# Allegro board RK3576_Template_LP5D315P132SD8_25x36_2400MHz_H1R0_V11_20240530YWQ.brd (continued)
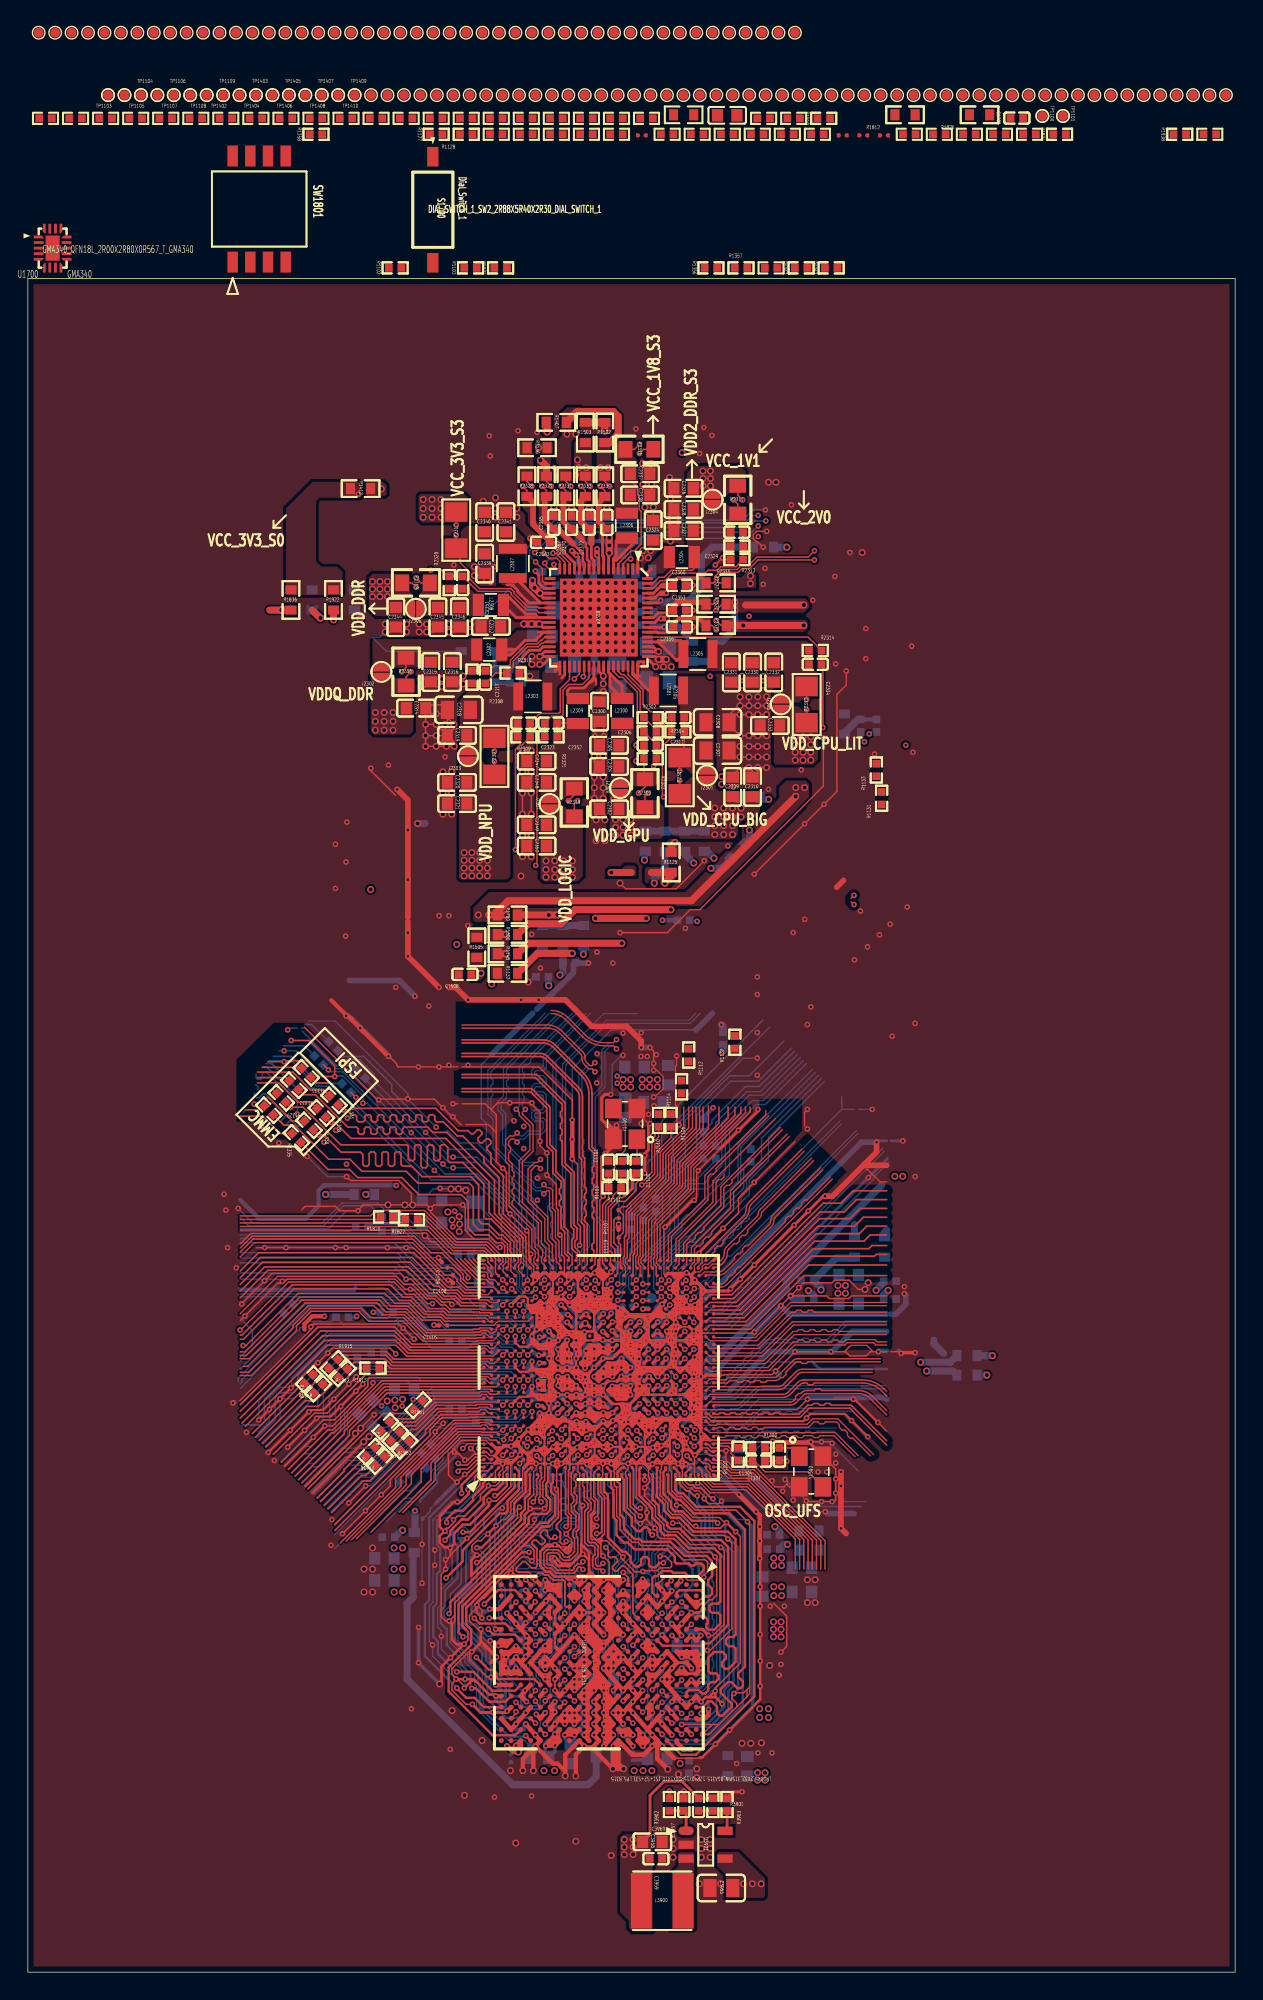
[diagram p0: board, top side]
## Copper pours and planes (outline as drawn; the poured copper is in the pictures) (continued)
VDD_CPU_BIG_S0 on L6-SIG: 48.26,43.56 43.69,43.56 43.43,43.31 43.05,43.31 42.29,42.54 41.91,42.54 41.66,42.29 40.39,42.29 40.39,42.29 40.26,42.42 40.26,42.42 40.26,43.18 40.39,43.31 40.77,43.31 40.89,43.43 40.89,43.69 41.53,44.32 41.53,46.48 42.16,47.12 42.16,50.67 43.31,51.82 43.31,62.74 43.69,63.12 43.69,64.52 43.31,64.9 43.31,75.44 43.56,75.69 43.56,76.33 43.62,76.39 43.62,80.77 43.81,80.96 43.81,83.19 44.2,83.57 48.77,83.57 49.15,83.95 52.96,83.95 53.47,83.44 53.47,60.45 52.07,59.05 52.07,47.37
VDD_CPU_BIG_S0_P on TOP: 49.28,86.11 47.62,86.11 47.24,86.49 46.1,86.49 45.95,86.64 45.95,87.99 46.48,88.52 46.74,88.52 46.86,88.65 46.86,90.93 46.74,91.06 46.74,93.09 49.15,93.09 49.28,92.96
VDD_CPU_LIT_S0 on TOP: 56.77,90.42 56.77,87.12 56.39,86.74 53.72,86.74 53.59,86.87 53.59,90.93 55.37,90.93 55.88,90.42
VDD_CPU_LIT_S0 on BOTTOM: 58.8,50.42 57.91,50.42 57.66,50.16 57.66,47.88 57.78,47.75 58.8,47.75 59.05,48.01 59.05,50.16
VDD_CPU_LIT_S0 on BOTTOM: 43.31,41.78 43.82,42.29 43.82,42.54 43.69,42.67 43.56,42.67 43.31,42.42 42.67,42.42 42.55,42.29 41.91,42.29 41.79,42.16 41.79,42.04 42.04,41.79 42.16,41.79 42.55,41.4 42.55,41.4 42.67,41.27 43.05,41.27 43.18,41.15 43.82,41.15 43.82,41.27
VDD_CPU_LIT_S0 on L3-POWER: 41.78,42.04 41.78,42.16 42.04,42.42 42.8,42.42 42.93,42.54 42.93,42.93 43.18,43.18 48.51,43.18 53.09,47.75 53.09,59.69 53.66,60.26 53.66,88.77 53.91,89.03 60.71,89.03 63.63,86.11 63.63,70.36 59.05,65.79 59.05,45.34 56.13,42.42 55.63,42.42 53.59,40.39 48.52,40.39 48.52,40.38 47.62,40.38 47.5,40.26 46.23,40.26 46.1,40.39 45.59,40.39 44.7,41.27 43.31,41.27 42.67,41.91 41.91,41.91
VDD_CPU_LIT_S0 on L6-SIG: 41.78,41.91 41.78,42.16 42.04,42.42 42.8,42.42 42.93,42.54 42.93,42.93 43.18,43.18 43.69,43.18 43.94,43.43 48.64,43.43 52.32,47.12 52.32,59.05 53.66,60.39 53.66,88.77 53.91,89.03 58.17,89.03 58.23,88.96 58.61,88.96 59.69,87.88 59.69,78.23 59.05,77.6 59.05,76.33 59.56,75.82 59.56,45.85 54.1,40.39 48.52,40.39 48.52,40.38 47.62,40.38 47.5,40.26 46.23,40.26 46.1,40.39 42.42,40.39 42.29,40.51 42.29,41.78 42.16,41.91
VDD_CPU_LIT_S0_P on TOP: 48.77,95.63 48.89,95.76 55.18,95.76 56.01,95.76 56.39,95.38 56.39,93.73 56.77,93.34 56.77,91.69 55.88,91.69 55.39,91.21 53.59,91.21 53.59,91.95 53.71,92.07 54.04,92.07 54.07,92.07 54.11,92.08 54.23,92.08 54.36,92.2 54.36,93.34 54.23,93.47 48.9,93.47 48.77,93.6
VDD_DDR_S0 on TOP: 27.69,98.93 27.69,97.54 27.56,97.41 25.02,97.41 24.51,97.92 24.51,100.2 24.77,100.46 27.3,100.46 27.43,100.33 27.43,99.19
VDD_DDR_S0 on BOTTOM: 40.51,41.2 39.55,41.2 39.17,40.82 39.24,40.76 39.24,40.65 39.37,40.51 41.4,40.51 41.4,40.51 41.79,40.51 41.9,40.63 41.9,40.9 41.78,41.02 41.4,41.02 41.27,40.89 40.77,40.89 40.51,41.15
VDD_DDR_S0 on BOTTOM: 54.36,29.97 53.47,29.97 52.32,28.83 52.32,27.94 53.09,27.94 53.34,28.19 53.34,28.32 53.47,28.45 55.25,28.45 55.5,28.7 55.5,29.46 55.18,29.78 54.55,29.78
VDD_DDR_S0 on L3-POWER: 44.58,34.04 42.42,34.04 42.04,34.42 42.04,36.07 41.91,36.2 41.91,38.1 42.16,38.35 42.16,40.26 41.91,40.51 39.37,40.51 39.24,40.64 39.24,41.4 39.62,41.78 39.63,41.78 39.88,42.04 41.53,42.04 41.79,41.78 42.55,41.78 43.18,41.15 44.7,41.15 44.96,40.89 44.96,40 47.37,40 47.62,39.75 53.98,39.75 56.01,41.78 56.39,41.78 59.69,45.09 59.69,65.41 64.39,70.1 64.39,86.3 60.71,89.98 56.77,89.98 56.2,89.41 48.39,89.41 47.88,88.9 42.04,88.9 41.53,89.41 40.51,89.41 40.01,88.9 32.39,88.9 29.84,91.44 27.81,91.44 23.24,96.01 23.24,99.06 24.77,100.58 28.58,100.58 28.83,100.33 29.97,100.33 32.39,97.92 32.39,95.38 36.32,91.44 41.91,91.44 43.69,93.22 47.37,93.22 50.55,96.39 66.29,96.39 71.88,90.81 71.88,59.94 68.96,57.02 68.96,42.67 55.25,28.96 49.66,28.96
VDD_DDR_S0 on L4-SIG: 42.55,34.67 42.55,40.13 42.16,40.51 39.37,40.51 39.24,40.64 39.24,40.89 39.5,41.15 42.42,41.15 43.18,40.39 43.81,40.39 44.58,39.62 44.58,36.32 44.83,36.07 54.74,36.07 56.52,34.29 56.52,29.46 56.01,28.96 53.59,28.96 49.66,32.89 45.59,32.89 44.45,34.04 43.18,34.04
VDD_DDR_S0 on L6-SIG: 53.34,28.7 53.34,29.97 54.61,31.24 54.61,33.4 52.83,35.18 52.83,38.86 59.69,45.72 59.69,65.41 59.82,65.53 59.82,88.01 58.42,89.41 46.23,89.41 45.59,90.04 44.96,90.04 43.18,88.27 33.02,88.27 29.84,91.44 27.81,91.44 24.19,95.06 24.19,100.01 24.51,100.33 26.04,100.33 26.67,99.69 26.67,99.19 27.18,98.68 31.24,98.68 32.39,97.54 32.39,95.12 36.32,91.19 41.66,91.19 43.69,93.22 47.37,93.22 50.55,96.39 59.18,96.39 64.14,91.44 64.14,67.56 65.41,66.29 65.41,40.32 57.59,32.51 57.59,29.15 57.02,28.57 53.47,28.57
VDD_DDR_S0 on L6-SIG: 41.91,41.91 40.01,41.91 39.24,41.15 39.24,40.89 39.5,40.64 41.78,40.64 42.16,41.02 42.16,41.66
VDD_DDR_S0_P on TOP: 29.46,100.33 29.72,100.08 29.72,99.82 29.84,99.69 31.46,99.69 32.11,99.04 32.66,99.04 32.77,98.93 32.77,98.81 32.76,98.81 32.76,97.56 32.64,97.43 32.33,97.43 32.33,97.41 31.99,97.41 31.91,97.43 31.82,97.44 31.74,97.43 31.66,97.41 31.43,97.41 31.35,97.43 31.27,97.44 31.18,97.43 31.1,97.41 28.19,97.41 28.07,97.54 28.07,98.93 28.32,99.19 28.32,100.2 28.45,100.33
VDD_GPU_S0 on TOP: 41.91,84.89 43.38,84.89 43.43,84.84 43.43,84.58 43.81,84.2 45.21,84.2 45.72,83.69 45.72,81.66 45.47,81.41 42.04,81.41 41.78,81.66 41.78,84.76
VDD_GPU_S0 on BOTTOM: 37.66,41.97 38.03,41.97 38.28,41.71 39.3,41.71 39.5,41.91 39.5,42.16 38.74,42.92 38.1,42.92 37.47,42.29 37.47,42.17 37.47,42.16
VDD_GPU_S0 on BOTTOM: 27.18,41.27 27.18,40.64 26.04,39.5 25.78,39.5 24.26,41.02 25.4,42.16 25.78,42.16 25.91,42.29 26.8,42.29 26.92,42.16 26.92,41.53
VDD_GPU_S0 on L3-POWER: 25.15,39.88 25.15,41.15 22.73,43.56 22.73,61.98 22.48,62.23 22.48,63.75 22.73,64.01 22.73,83.57 26.54,87.38 30.99,87.38 31.5,87.88 42.8,87.88 43.43,87.25 43.43,86.74 43.56,86.61 43.56,81.03 43.31,80.77 35.56,80.77 35.18,81.15 34.8,81.15 34.54,81.41 30.99,81.41 29.59,80.01 29.59,64.64 29.84,64.39 29.84,56.9 29.59,56.64 29.59,51.18 29.46,51.05 29.46,46.99 33.4,43.05 37.47,43.05 37.66,43.24 37.79,43.24 37.85,43.31 39.63,43.31 39.88,43.05 39.88,42.8 39.88,42.8 39.88,42.16 39.5,41.78 39.37,41.78 39.12,41.53 39.12,40.64 38.86,40.39 38.35,40.39 38.23,40.26 38.23,39.24 38.1,39.12 37.85,39.12 37.72,38.99 37.72,36.2 37.21,35.69 36.2,35.69 35.56,35.05 34.92,35.05 34.16,34.29 32.39,34.29 32.13,34.04 30.99,34.04
VDD_GPU_S0 on L6-SIG: 39.12,41.53 39.37,41.78 39.5,41.78 39.88,42.16 39.88,42.8 39.88,42.8 39.88,43.05 39.63,43.31 37.85,43.31 37.79,43.24 37.66,43.24 37.47,43.05 33.66,43.05 29.72,46.99 29.72,80.64 29.97,80.9 35.31,80.9 35.43,80.77 43.31,80.77 43.56,81.03 43.56,83.19 42.67,84.07 42.67,87.5 42.29,87.88 31.5,87.88 30.61,87 26.92,87 25.91,85.98 24.13,85.98 23.18,85.03 23.18,49.02 24.38,47.82 24.38,41.15 26.16,39.37 37.34,39.37 37.72,39.75 38.35,39.75 38.48,39.88 38.48,40 38.86,40.39 39.12,40.39
VDD_GPU_S0_P on TOP: 41.91,85.22 41.89,85.24 41.89,90.04 41.98,90.14 43.46,90.14 43.56,90.04 43.56,87.27 43.43,87.14 43.39,86.97 43.43,86.79 43.56,86.66 43.56,86.49 43.69,86.36 45.09,86.36 45.21,86.23 45.21,85.34 45.09,85.22
VDD_LOGIC_S0 on TOP: 37.08,78.36 36.83,78.61 36.83,83.82 38.48,83.82 38.73,83.57 39.88,83.57 39.88,78.74 39.5,78.36
VDD_LOGIC_S0 on BOTTOM: 43.31,65.53 42.55,65.53 42.16,65.15 42.16,63.63 42.55,63.25 42.55,62.36 43.43,62.36 43.56,62.48 43.56,65.28
VDD_LOGIC_S0 on BOTTOM: 39.55,44.38 39.81,44.63 39.81,45.01 40.01,45.21 40.39,45.21 40.64,45.47 40.77,45.47 41.09,45.14 41.22,45.14 41.4,44.96 42.04,44.96 42.29,45.21 42.42,45.21 42.55,45.09 42.55,44.96 42.16,44.58 41.4,44.58 40.77,43.94 40.64,43.94 40.51,44.07 40.39,44.07 40.13,43.81 40.13,43.18 39.88,42.93 39.75,42.93 39.55,43.12
VDD_LOGIC_S0 on L3-POWER: 38.99,45.85 37.21,47.62 37.21,49.91 36.7,50.42 36.7,54.61 36.83,54.74 36.83,80.01 37.08,80.26 42.93,80.26 43.18,80.01 43.18,64.77 43.56,64.39 43.56,63.37 43.18,62.99 43.18,53.09 43.18,53.09 43.18,52.45 41.4,50.67 41.4,48.39 41.78,48.01 41.78,46.99 41.66,46.99 41.27,46.61 41.27,44.32 40.89,43.94 40.39,43.94 40.26,43.81 40.26,43.31 39.88,43.31 39.88,43.43 39.5,43.81 39.12,43.81 38.99,43.94
VDD_LOGIC_S0 on L4-SIG: 41.91,45.09 42.29,44.7 42.29,43.94 41.78,43.43 41.53,43.43 41.02,42.93 40.39,42.93 40.13,43.18 39.88,43.18 39.75,43.31 39.75,44.96 39.88,45.09
VDD_LOGIC_S0 on L6-SIG: 38.99,45.85 37.21,47.62 37.21,49.91 36.83,50.29 36.83,80.39 36.96,80.52 42.67,80.52 43.18,80.01 43.18,64.77 43.56,64.39 43.56,63.37 43.18,62.99 43.18,53.09 43.18,53.09 43.18,51.94 41.78,50.55 41.78,48.01 41.78,48.01 41.78,46.99 41.66,46.99 41.27,46.61 41.27,45.21 41.4,45.09 41.4,44.45 40.77,43.81 39.12,43.81 38.99,43.94
VDD_LOGIC_S0_P on TOP: 36.83,88.01 36.96,88.14 37.59,88.14 37.72,88.27 37.72,89.95 37.74,89.97 38.46,89.97 38.54,90.04 40.26,90.04 40.26,84.71 40.13,84.58 38.86,84.58 38.35,84.07 36.83,84.07
VDD_NPU_S0 on TOP: 31.12,78.49 30.99,78.61 30.99,87.25 32.39,87.25 32.89,86.74 34.54,86.74 34.67,86.61 34.67,78.74 34.42,78.49
VDD_NPU_S0 on BOTTOM: 38.16,43.88 38.28,44 38.79,44 38.86,44.07 38.86,45.85 38.61,46.1 38.35,46.1 38.35,45.21 38.23,45.09 37.59,45.09 37.47,44.96 37.47,44.58
VDD_NPU_S0 on BOTTOM: 29.21,53.47 29.72,52.96 32.64,52.96 32.89,53.21 32.89,54.1 32.64,54.36 31.5,54.36 30.86,54.99 30.86,55.24 30.1,56.01 29.34,56.01 29.21,55.88
VDD_NPU_S0 on L3-POWER: 30.23,56.01 30.61,56.39 30.61,62.23 30.8,62.42 30.48,62.74 30.48,64.52 30.32,64.67 30.32,79.79 31.24,80.71 34.48,80.71 35.31,79.88 35.69,79.88 36.7,78.87 36.7,54.86 36.58,54.74 36.58,50.29 36.96,49.91 36.96,47.62 38.73,45.85 38.73,44.07 38.86,43.94 38.86,43.69 38.86,43.69 38.61,43.43 37.85,43.43 37.59,43.18 36.71,43.18 36.7,43.18 33.53,43.18 29.72,46.99 29.72,50.93 29.84,51.05 29.84,54.61 30.23,54.99
VDD_NPU_S0 on L6-SIG: 30.54,80.71 34.48,80.71 35.31,79.88 35.69,79.88 36.7,78.87 36.7,50.16 36.96,49.91 36.96,47.62 38.86,45.72 38.86,43.94 38.86,43.94 38.86,43.69 38.86,43.69 38.61,43.43 37.85,43.43 37.59,43.18 36.71,43.18 36.7,43.18 33.78,43.18 29.84,47.12 29.84,80.01
VDD_NPU_S0_P on TOP: 35.56,92.58 35.56,90.17 35.43,90.04 35.43,88.65 34.8,88.01 32.89,88.01 32.39,87.5 31.05,87.5 31.05,91.38 31.75,92.07 33.15,92.07 33.66,92.58
VDDA0V75_HDMI_S0_P on TOP: 38.27,104.88 38.25,104.96 38.2,105.03 38.2,105.28 37.97,105.51 37.97,106.3 38.1,106.43 38.96,106.43 39.09,106.3 39.09,105.66 38.99,105.57 38.98,105.56 38.75,105.42 38.65,105.16 38.65,105.03 38.6,104.96 38.58,104.88 38.58,104.33 38.61,104.23 38.68,104.15 38.68,104.02 38.95,104.02 38.96,104.01 39.22,104.01 39.86,103.37 39.86,103.36 39.91,103.28 39.99,103.23 40,103.23 40.08,103.15 40.08,102.62 40.1,102.48 40.17,102.36 40.18,102.35 40.18,102.23 40.15,102.18 40.09,102.19 39.8,102.48 39.8,102.62 38.82,103.6 38.75,103.6 38.5,103.86 38.4,103.93 38.28,103.97 38.27,103.98
VDDA_0V75_S0 on TOP: 39.12,111.25 39.12,111 38.99,110.87 38.35,110.87 38.35,112.01 38.73,112.39 39.75,112.39 39.88,112.27 39.88,112.01
VDDA_0V75_S0 on TOP: 40.87,107.16 40.87,109.7 40.89,109.73 40.89,110.11 41.02,110.24 41.78,110.24 41.91,110.11 41.91,109.76 41.89,109.74 41.89,107.17 41.78,107.06 40.97,107.06
VDDA_0V75_S0 on TOP: 32,74.93 31.75,74.68 31.75,74.04 31.88,73.91 33.02,73.91 33.27,73.66 33.27,71.37 33.4,71.25 34.04,71.25 34.54,71.75 34.54,74.68 34.29,74.93
VDDA_0V75_S0 on L4-SIG: 34.8,92.96 34.8,97.03 35.94,98.17 35.94,101.09 36.45,101.6 36.7,101.6 37.08,101.98 37.08,102.23 38.48,103.63 42.55,103.63 42.8,103.89 42.8,107.57 42.04,108.33 40.89,108.33 40.77,108.2 40.77,107.7 40.01,106.93 40.01,106.3 39.5,105.79 37.66,105.79 34.23,102.36 34.23,98.49 33.4,97.66 33.4,91.19 34.29,90.3 34.29,78.23 34.92,77.6 34.92,75.56 34.04,74.68 34.04,73.03 34.16,72.9 35.69,72.9 36.7,73.91 36.7,76.2 37.08,76.58 39.12,76.58 39.75,77.22 39.75,79.88 37.08,82.55 37.08,90.68
VDDA_0V75_S0_P on TOP: 40.81,104.88 40.79,104.96 40.74,105.03 40.74,106.04 41,106.3 41.76,106.3 41.89,106.17 41.89,105.66 41.76,105.54 41.73,105.55 41.67,105.57 41.6,105.57 41.52,105.56 41.44,105.54 41.38,105.54 41.25,105.41 41.25,105.37 41.24,105.36 41.21,105.26 41.19,105.16 41.19,105.03 41.14,104.96 41.12,104.88 41.12,104.33 41.15,104.23 41.22,104.15 41.22,104.02 41.49,104.02 41.53,103.99 41.76,103.99 41.87,103.87 41.87,103.65 41.72,103.5 41.71,103.5 41.43,103.35 41.31,103.05 41.31,102.67 41.25,102.58 41.14,102.6 41,102.74 41,103.76 40.81,103.95
VDDA_0V85_S0 on TOP: 34.42,75.44 32.13,75.44 32,75.56 32,76.45 33.15,77.6 47.24,77.6 50.16,80.52 50.42,80.52 51.31,81.41 51.31,82.3 51.69,82.68 52.32,82.68 53.98,84.33 53.98,85.09 54.48,85.6 55.88,85.6 56.13,85.34 56.13,84.2 55.75,83.82 55.75,83.69 48.64,76.58 34.92,76.58 34.67,76.33 34.67,75.69
VDDA_0V85_S0 on TOP: 40.33,107.16 39.4,107.16 39.24,107.31 39.24,109.86 39.62,110.24 40.39,110.24 40.51,110.11 40.51,107.34
VDDA_0V85_S0 on BOTTOM: 58.93,52.45 59.69,52.45 60.07,52.83 60.07,53.34 63.12,56.39 63.12,57.4 62.99,57.53 62.1,57.53 61.59,57.02 61.59,56.39 58.93,53.72
VDDA_0V85_S0 on L4-SIG: 59.82,65.66 59.82,61.85 63.37,58.29 63.37,57.28 64.58,56.07 64.58,48.96 66.04,47.5 66.04,44.32 65.91,44.2 65.66,44.2 65.53,44.32 65.53,47.24 63.5,49.28 63.5,53.09 58.42,58.17 58.42,76.33 54.86,79.88 54.86,85.22 55.12,85.47 56.64,85.47 62.36,79.76 62.36,72.52 61.34,71.5 61.34,67.18
VDDA_0V85_S0 on L4-SIG: 34.54,75.56 34.67,75.69 34.67,77.6 34.16,78.1 34.16,89.92 33.27,90.81 33.27,97.92 34.04,98.68 34.04,102.49 37.59,106.05 39.24,106.05 39.62,106.43 39.62,106.93 40.51,107.82 40.51,108.46 40.01,108.97 37.85,108.97 36.96,108.08 34.16,108.08 29.59,103.5 29.59,95.88 30.23,95.25 30.23,90.81 30.99,90.04 30.99,81.79 30.73,81.53 30.73,77.09 32.26,75.56
VDDA_0V85_S0_P on TOP: 39.6,103.92 39.6,106.04 39.85,106.3 40.23,106.3 40.36,106.17 40.36,105.79 39.85,105.28 39.85,104.39 39.85,104.33 39.88,104.23 39.95,104.15 39.95,104.02 40.22,104.02 40.23,104.01 40.45,104.01 40.74,103.73 40.74,102.6 40.69,102.57 40.59,102.57 40.53,102.66 40.53,102.98
VDDA_1V2_S0 on TOP: 49.91,96.27 55.75,96.27 56.01,96.52 56.01,97.03 55.88,97.16 49.91,97.16
VDDA_1V2_S0 on BOTTOM: 51.56,81.53 51.05,81.03 51.05,80.64 51.31,80.39 51.56,80.39 52.2,81.03 52.2,82.17 52.07,82.3 51.69,82.3 51.56,82.17
VDDA_1V2_S0_P on TOP: 45.97,96.14 46.48,96.14 46.61,96.27 46.61,96.39 47.12,96.9 48.01,96.9 48.39,96.52 48.39,96.27 49.02,96.27 49.02,97.28 48.77,97.54 46.61,97.54 45.97,96.9
VDDA_DDR_PLL_S0 on TOP: 37.59,107.06 36.83,107.06 36.58,107.31 36.58,108.71 36.7,108.84 37.47,108.84 37.59,108.71
VDDA_DDR_PLL_S0 on L4-SIG: 38.86,40.64 38.61,40.64 38.23,41.02 37.72,41.02 37.47,41.27 37.21,41.27 37.09,41.15 36.7,41.15 36.58,41.27 36.58,41.27 36.32,41.53 30.48,41.53 30.35,41.66 27.43,41.66 24,45.09 24.77,45.09 27.69,42.16 37.47,42.16 37.59,42.04 38.73,42.04 39.12,41.66 39.12,41.15 38.99,41.02 38.99,40.77
VDDA_DDR_PLL_S0_P on TOP: 36.68,105.72 36.68,105.92 36.69,105.93 36.69,106.16 36.83,106.3 37.72,106.3 37.85,106.17 37.85,105.92 37.31,105.39 37.31,104.14 37.41,104.04 37.41,104.02 37.43,104.02 37.57,103.89 38.08,103.89 38.59,103.37 38.59,103.36 38.67,103.26 38.79,103.22 38.91,103.22 39.6,102.53 39.6,102.38 39.89,102.1 39.89,101.99 39.86,101.94 39.8,101.95 39.37,102.38 39.24,102.47 39.09,102.5 39.01,102.49 38.94,102.47 38.91,102.46 37.97,103.4 37.67,103.4 36.7,104.37 36.7,105.58 36.7,105.65
VDDA_HDMI_S0 on TOP: 39.12,108.36 39.09,108.33 39.09,107.19 38.96,107.06 38.1,107.06 37.97,107.19 37.97,109.98 38.35,110.36 38.35,110.62 38.48,110.74 39.5,110.74 39.62,110.62 39.62,110.36 39.12,109.86
VDDA_HDMI_S0 on L4-SIG: 38.61,111 40.77,111 41.53,110.24 42.55,110.24 43.18,109.6 44.96,109.6 46.74,107.82 46.74,88.27 45.59,87.12 45.59,85.47 46.23,84.84 46.23,80.9 51.56,75.56 51.56,72.52 52.7,71.37 52.7,52.32 49.78,49.4 49.78,48.26 48.39,46.86 46.36,46.86 46.23,46.99 45.85,46.99 45.53,46.67 45.34,46.86 45.72,47.24 46.99,47.24 47.5,47.75 48.01,47.75 48.26,48.01 48.26,50.42 48.64,50.8 49.02,50.8 50.48,52.26 50.48,56.71 50.8,57.02 50.8,68.45 49.91,69.34 49.91,75.18 46.86,78.23 46.86,78.74 44.7,80.9 44.7,83.31 42.93,85.09 42.93,93.22 44.2,94.49 44.2,100.46 43.31,101.35 43.31,107.95 41.91,109.35 40.01,109.35 39.69,109.66 38.54,109.66 38.23,109.98 38.23,110.62
VDDQ_DDR_CKE_S3 on L4-SIG: 36.45,39.75 36.58,39.62 37.72,39.62 38.23,40.13 38.23,40.77 38.1,40.89 37.59,40.89 37.47,41.02 37.34,41.02 36.7,40.39 29.59,40.39 29.34,40.13 29.72,39.75
VDDQ_DDR_S0 on TOP: 24.64,93.09 24.77,93.22 26.16,93.22 26.42,92.96 27.56,92.96 27.69,92.84 27.69,89.15 27.43,88.9 24.89,88.9 24.64,89.15
VDDQ_DDR_S0 on BOTTOM: 43.31,15.37 43.31,14.35 43.43,14.22 44.96,14.22 45.08,14.35 45.08,15.75 44.96,15.87 44.7,15.87 44.32,16.26 44.32,17.02 44.96,17.65 44.96,18.54 45.08,18.67 45.08,19.56 44.96,19.68 44.83,19.68 44.7,19.56 44.7,18.8 44.58,18.67 44.58,18.03 43.81,17.27 43.81,15.62 43.69,15.49 43.43,15.49
VDDQ_DDR_S0 on BOTTOM: 26.04,30.73 25.91,30.61 25.91,27.18 26.04,27.05 27.05,27.05 27.18,27.18 27.18,30.61 27.05,30.73
VDDQ_DDR_S0 on BOTTOM: 53.34,27.81 53.34,26.92 53.47,26.8 55.25,26.8 55.37,26.92 55.37,27.94 55.25,28.07 53.59,28.07
VDDQ_DDR_S0 on BOTTOM: 42.16,40.39 41.27,40.39 41.15,40.26 40.77,40.26 40.64,40.39 39.25,40.39 39.24,40.38 39.24,40.26 38.73,39.75 38.73,39.62 38.86,39.5 38.99,39.5 39.37,39.88 39.5,39.88 39.63,39.75 39.88,39.75 40.01,39.88 40.26,39.88 40.39,39.75 40.89,39.75 41.02,39.88 41.79,39.88 41.91,40 42.17,40 42.29,39.88 42.29,39.5 42.16,39.37 42.16,39.24 42.29,39.12 42.55,39.12 42.67,39.24 42.67,39.62 42.55,39.75 42.55,40
VDDQ_DDR_S0 on BOTTOM: 36.83,16.26 36.83,14.35 36.96,14.22 37.97,14.22 38.1,14.35 38.1,17.14 37.59,17.65 37.59,18.29 38.1,18.8 37.72,18.8 36.96,18.03 36.96,17.65 37.46,17.14 37.46,16.89
VDDQ_DDR_S0 on L3-POWER: 39.24,40.39 41.78,40.39 41.91,40.26 41.91,39.24 41.4,38.73 41.4,36.45 41.91,35.94 41.91,34.04 42.16,33.78 44.45,33.78 49.4,28.83 54.48,28.83 54.61,28.7 54.61,26.8 53.59,25.78 49.78,25.78 49.4,25.4 49.4,24 49.15,23.75 45.21,23.75 44.96,24 44.58,24 44.45,24.13 44.45,24.38 44.32,24.51 44.32,25.27 43.05,26.54 43.05,27.18 42.42,27.81 41.02,27.81 40.39,28.45 39.12,28.45 38.86,28.19 38.23,28.19 37.59,27.56 37.59,24.38 37.21,24 37.08,24 36.7,24.38 35.56,24.38 35.31,24.13 34.16,24.13 33.66,23.62 33.66,21.34 34.29,20.7 36.7,20.7 36.83,20.57 37.21,20.57 38.35,19.43 38.35,15.87 38.73,15.49 43.56,15.49 43.81,15.75 43.81,17.27 44.32,17.78 44.32,19.43 44.58,19.68 44.96,19.68 45.47,19.18 53.34,19.18 53.85,18.67 53.85,16.51 52.45,15.11 52.2,15.11 51.82,14.73 51.82,12.7 50.93,11.81 31.62,11.81 24.64,18.8 24.64,25.91 12.19,38.35 12.19,87.38 12.07,87.5 17.78,93.22 24,93.22 26.8,90.42 26.8,88.27 26.67,88.14 26.29,88.14 24.13,85.98 24.13,85.72 22.35,83.95 22.35,43.05 25.02,40.39 25.02,39.62 30.86,33.78 32.26,33.78 32.51,34.04 34.16,34.04 35.05,34.92 35.69,34.92 36.32,35.56 37.21,35.56 37.85,36.2 38.35,36.2 38.48,36.32 38.48,39.75 38.61,39.75
VDDQ_DDR_S0 on L4-SIG: 38.61,36.32 38.61,39.75 39.24,40.39 42.04,40.39 42.42,40 42.42,34.42 43.05,33.78 44.32,33.78 45.4,32.7 49.28,32.7 52.93,29.05 52.96,29.05 53.5,28.51 55.05,28.51 55.44,28.13 55.44,18.61 54.86,18.03 50.93,18.03 50.93,20.45 50.55,20.83 50.55,26.42 48.51,28.45 46.23,28.45 45.85,28.07 43.69,28.07 43.43,27.81 41.15,27.81 40.58,28.38 39.05,28.38 38.99,28.45 37.72,28.45 37.59,28.57 36.39,28.57 36.2,28.77 35.5,28.77 35.43,28.83 34.42,28.83 33.66,28.07 33.66,25.02 33.4,24.76 30.99,24.76 30.73,24.51 28.7,24.51 26.04,27.18 26.04,30.61 26.35,30.92 27.5,30.92 29.21,32.64 29.21,33.02 32.51,36.32
VDDQ_DDR_S0 on L6-SIG: 39.37,39.88 42.16,39.88 42.29,40 42.29,40.26 42.16,40.39 39.24,40.39 39.24,40
VDDQ_DDR_S0_P on TOP: 24.77,93.6 24.77,95.63 24.89,95.76 32.61,95.76 32.61,94.13 32.77,93.98 33.02,93.98 33.15,93.85 33.15,93.22 31.65,93.22 31.62,93.29 31.62,93.34 31.24,93.73 26.29,93.73 26.16,93.6
DDR_PLL_AVDD1V8 on L4-SIG: 38.73,40.39 38.86,40.39 38.99,40.26 38.99,40.13 38.1,39.24 35.56,39.24 35.31,38.99 30.48,38.99 30.23,39.24 30.61,39.62 37.97,39.62
HDMI_TX/EDP_TX_AVDD1V8 on BOTTOM: 47.62,80.9 46.74,80.9 46.74,80.26 47.62,79.38 48.01,79.38 48.13,79.5 48.13,79.76 47.75,80.14 47.75,80.77
HDMI_TX/EDP_TX_AVDD1V8 on L4-SIG: 45.21,46.48 45.09,46.35 45.09,45.97 45.34,45.72 48.51,45.72 53.09,50.29 53.09,52.45 49.97,49.34 49.97,48.2 48.39,46.61 46.48,46.61 46.36,46.48
MIPI_CSI1/2_AVDD0V75 on L4-SIG: 44.96,47.88 43.75,46.67 44.2,46.67 45.72,48.2 45.72,49.78 46.74,50.8 46.74,51.69 48.96,53.91 48.96,54.93 45.47,51.43 45.47,50.29 44.96,49.78
MIPI_CSI1/2_AVDD1V8 on BOTTOM: 46.23,80.9 45.34,80.9 45.34,79.63 44.7,78.99 44.7,78.23 44.96,77.98 45.21,77.98 46.36,79.12 46.36,80.77
MIPI_CSI1/2_AVDD1V8 on L4-SIG: 44.7,50.55 44.7,52.32 45.47,53.09 45.47,53.59 45.21,53.85 44.2,52.83 44.2,50.16 44.07,50.04 44.07,47.5 44.58,48.01 44.58,50.42
MIPI_CSI3/4_AVDD0V75 on TOP: 32.77,71.5 32.77,73.28 31.88,73.28 31.75,73.15 31.75,71.37 31.88,71.25 32.51,71.25
MIPI_CSI3/4_AVDD0V75 on L4-SIG: 36.96,47.75 36.32,48.39 36.32,48.51 36.07,48.77 36.07,49.66 35.81,49.91 35.81,50.16 34.8,51.18 34.42,51.18 34.42,50.55 34.8,50.16 34.8,49.91 34.92,49.78 34.92,49.02 35.18,48.77 35.43,48.77 36.83,47.37 37.72,47.37 38.61,46.48 38.73,46.48 38.99,46.74 38.86,46.86 38.61,46.86 37.72,47.75
MIPI_CSI3/4_AVDD1V8 on L4-SIG: 39.12,47.5 39.12,47.12 38.99,46.99 38.61,46.99 37.47,48.13 36.96,48.13 36.58,48.51 36.58,49.78 35.05,51.31 35.05,53.09 35.31,53.09 37.59,50.8 37.59,48.51 38.48,47.62 38.99,47.62
MIPI_DCPHY_AVDD on TOP: 39.75,111.76 41.78,111.76 42.04,111.51 42.04,110.74 41.78,110.49 40.13,110.49 39.62,111 39.62,111.63
MIPI_DCPHY_AVDD on L4-SIG: 41.4,110.49 42.67,110.49 43.18,109.98 46.86,109.98 47.75,109.09 47.88,109.09 47.88,110.36 47.12,111.12 41.4,111.12 41.27,111 41.27,110.62
MIPI_DCPHY_AVDD on L4-SIG: 44.45,43.94 44.7,43.69 48.13,43.69 48.64,44.2 51.56,44.2 52.96,45.59 52.96,45.72 51.69,45.72 50.93,44.96 49.91,44.96 49.66,44.7 48.39,44.7 48.13,44.45 44.58,44.45 44.45,44.32
MIPI_DCPHY_AVDD1V2 on BOTTOM: 49.91,80.01 49.91,79.76 49.66,79.5 49.02,79.5 48.77,79.25 48.77,79.12 49.02,78.87 50.04,78.87 51.18,80.01 51.18,80.14 50.8,80.52 50.42,80.52
MIPI_DCPHY_AVDD1V2 on L4-SIG: 44.45,44.58 45.09,44.58 45.85,45.34 49.02,45.34 49.91,46.23 50.42,46.23 53.72,49.53 53.72,50.29 53.21,50.29 48.51,45.59 45.09,45.59 44.45,44.96
MIPI_DCPHY_AVDD1V8 on BOTTOM: 48.13,81.03 48.13,80.39 48.26,80.26 48.77,80.26 49.15,79.88 49.53,79.88 49.66,80.01 49.66,80.77 49.4,81.03
MIPI_DCPHY_AVDD1V8 on L4-SIG: 45.72,45.09 45.72,44.7 45.85,44.58 48.13,44.58 48.39,44.83 49.4,44.83 49.78,45.21 50.93,45.21 54.48,48.77 54.48,49.53 54.23,49.53 50.55,45.85 49.78,45.85 49.15,45.21 45.97,45.21 45.85,45.09
OSC_1V8 on BOTTOM: 44.83,80.9 44.07,80.9 43.94,80.77 43.94,79.63 44.2,79.38 44.7,79.38 44.96,79.63 44.96,80.77
OSC_1V8 on L4-SIG: 41.78,45.97 41.78,45.85 41.91,45.72 42.55,45.72 43.18,46.35 43.18,46.99 43.31,47.12 43.31,48.13 43.18,48.26 43.18,50.29 43.43,50.55 43.43,52.96 42.8,52.96 42.8,50.55 43.05,50.29 43.05,47.24 42.8,46.99 42.8,46.86 42.16,46.23 42.04,46.23
OSC_UFS_AVDD on L4-SIG: 44.32,40.26 44.32,39.88 44.7,39.5 46.36,39.5 46.48,39.37 48.39,39.37 49.02,38.74 49.02,38.1 49.28,37.85 50.29,37.85 50.8,37.34 54.99,37.34 60.58,42.93 64.26,42.93 64.39,43.05 64.39,43.18 64.26,43.31 59.44,43.31 56.13,40 48.51,40 48.26,39.75 44.96,39.75 44.83,39.88 44.83,40.13 44.58,40.39 44.45,40.39
OTP_VDD0V75 on L4-SIG: 41.91,46.48 41.78,46.61 41.78,46.86 42.16,47.24 42.16,52.58 41.91,52.83 41.91,54.1 42.93,55.12 43.94,55.12 43.94,54.61 42.67,53.34 42.67,50.16 42.93,49.91 42.93,47.37 42.67,47.12 42.67,46.99 42.16,46.48
PCIE_COMBOPHY_AVDD0V85 on TOP: 34.92,75.44 38.1,75.44 38.35,75.69 38.35,76.2 38.1,76.45 34.92,76.45 34.8,76.33 34.8,75.56
PCIE_COMBOPHY_AVDD0V85 on L4-SIG: 40.26,46.74 39.62,47.37 39.62,50.8 39.24,51.18 39.24,51.69 38.86,52.07 38.86,53.09 38.35,53.59 38.35,61.85 37.72,62.48 37.72,72.26 38.48,73.03 38.48,76.07 38.23,76.33 37.21,76.33 36.96,76.07 36.96,73.79 36.2,73.03 36.2,63.37 36.58,62.99 36.58,60.96 35.94,60.32 35.94,55.37 37.21,54.1 37.21,52.7 38.23,51.69 38.23,48.01 39.75,46.48 40.26,46.48
PCIE_COMBOPHY_AVDD1V8 on L4-SIG: 40.39,52.7 39.88,53.21 39.88,62.36 38.73,63.5 38.73,71.75 38.48,72.01 38.1,72.01 37.97,71.88 37.97,62.74 38.48,62.23 38.48,53.85 38.99,53.34 38.99,52.2 39.62,51.56 39.62,47.5 40.13,46.99 40.26,46.99 40.39,47.12
PLL_AVDD1V8 on L4-SIG: 42.16,47.24 42.16,47.62 41.91,47.88 41.91,50.42 41.78,50.55 41.78,52.83 41.66,52.96 41.66,53.47 40.77,54.36 40.77,53.47 41.27,52.96 41.27,50.67 41.4,50.55 41.4,47.37 41.78,46.99 41.91,46.99
PLL_DVDD0V75 on L4-SIG: 41.66,46.61 41.66,46.86 41.27,47.24 41.27,50.42 41.02,50.67 41.02,52.96 40.51,53.47 40.51,61.98 40.26,62.23 39.88,61.85 39.88,53.21 40.64,52.45 40.64,46.61 40.77,46.48 41.53,46.48
PMIC_SW1 on TOP: 43.47,93.21 43.56,93.29 44.04,93.29 44.04,93.98 44.42,93.98 44.43,93.98 44.71,93.69 44.72,93.68 44.82,93.49 45.01,93.38 45.02,93.38 45.06,93.34 45.21,93.34 45.34,93.22 45.34,91.06 44.58,91.06 44.45,91.19 44.45,92.23
PMIC_SW2 on TOP: 36.96,90.68 36.96,93.37 37.67,94.08 38.05,94.08 38.05,93.29 38.58,93.29 38.58,92.88 38,92.3 38,90.7 37.97,90.68
PMIC_SW3 on TOP: 45.12,95.46 45.12,95.65 45.47,95.65 45.56,95.67 45.65,95.73 45.68,95.76 47.37,95.76 47.5,95.63 47.5,93.85 47.37,93.73 46.74,93.73 46.74,94.08 45.66,95.16 45.56,95.16 45.55,95.17 45.45,95.24 45.33,95.27 45.31,95.27
PMIC_SW4 on TOP: 33.91,100.46 35.69,100.46 35.8,100.34 35.8,99.4 36.6,98.6 36.71,98.6 36.92,98.39 36.92,98.26 36.81,98.26 36.75,98.32 36.03,98.32 35.19,99.16 35.19,99.3 34.92,99.56 34.16,99.56 33.91,99.82
PMIC_SW5 on TOP: 41.73,92.69 41.73,92.89 41.83,92.99 42.11,92.99 42.26,92.84 42.34,92.78 42.44,92.76 42.62,92.76 43.54,91.85 43.54,91.31 43.41,91.19 41.76,91.19 41.73,91.22 41.73,91.65 41.73,91.87 41.74,91.94 41.75,92 41.74,92.06 41.73,92.13 41.73,92.43 41.74,92.49 41.75,92.56 41.74,92.62
PMIC_SW6 on TOP: 33.63,94.11 33.63,95.88 34.65,95.88 35.15,96.39 36.78,96.39 36.81,96.36 36.85,96.34 36.85,96.29 36.9,96.24 36.9,96.02 36.81,95.92 36.79,95.92 36.71,95.89 36.65,95.85 36.48,95.67 35.84,95.67 35.74,95.65 35.66,95.6 34.93,94.87 34.92,94.87 34.55,94.49 34.42,94.36 34.42,94.13 34.39,94.11
PMIC_SW7 on TOP: 38.71,91.97 38.73,91.97 38.73,92.2 38.86,92.33 39.88,92.33 40.58,93.03 40.58,93.18 40.59,93.19 40.81,93.19 40.92,93.09 40.92,92.5 40.36,91.95 40.36,91.06
